# Altium PCB ROBOT1.PcbDoc (part 5 of 7)
Units mm, origin at the board's own origin, x right, y up, seen from the top; angles counter-clockwise.
Board outline 99.4 x 99.07 mm, 2 copper layers (Top Layer, Bottom Layer); 31 components, 29 nets, 151 pads, 0 vias.
Unrouted connection lines stored in the file: 3.
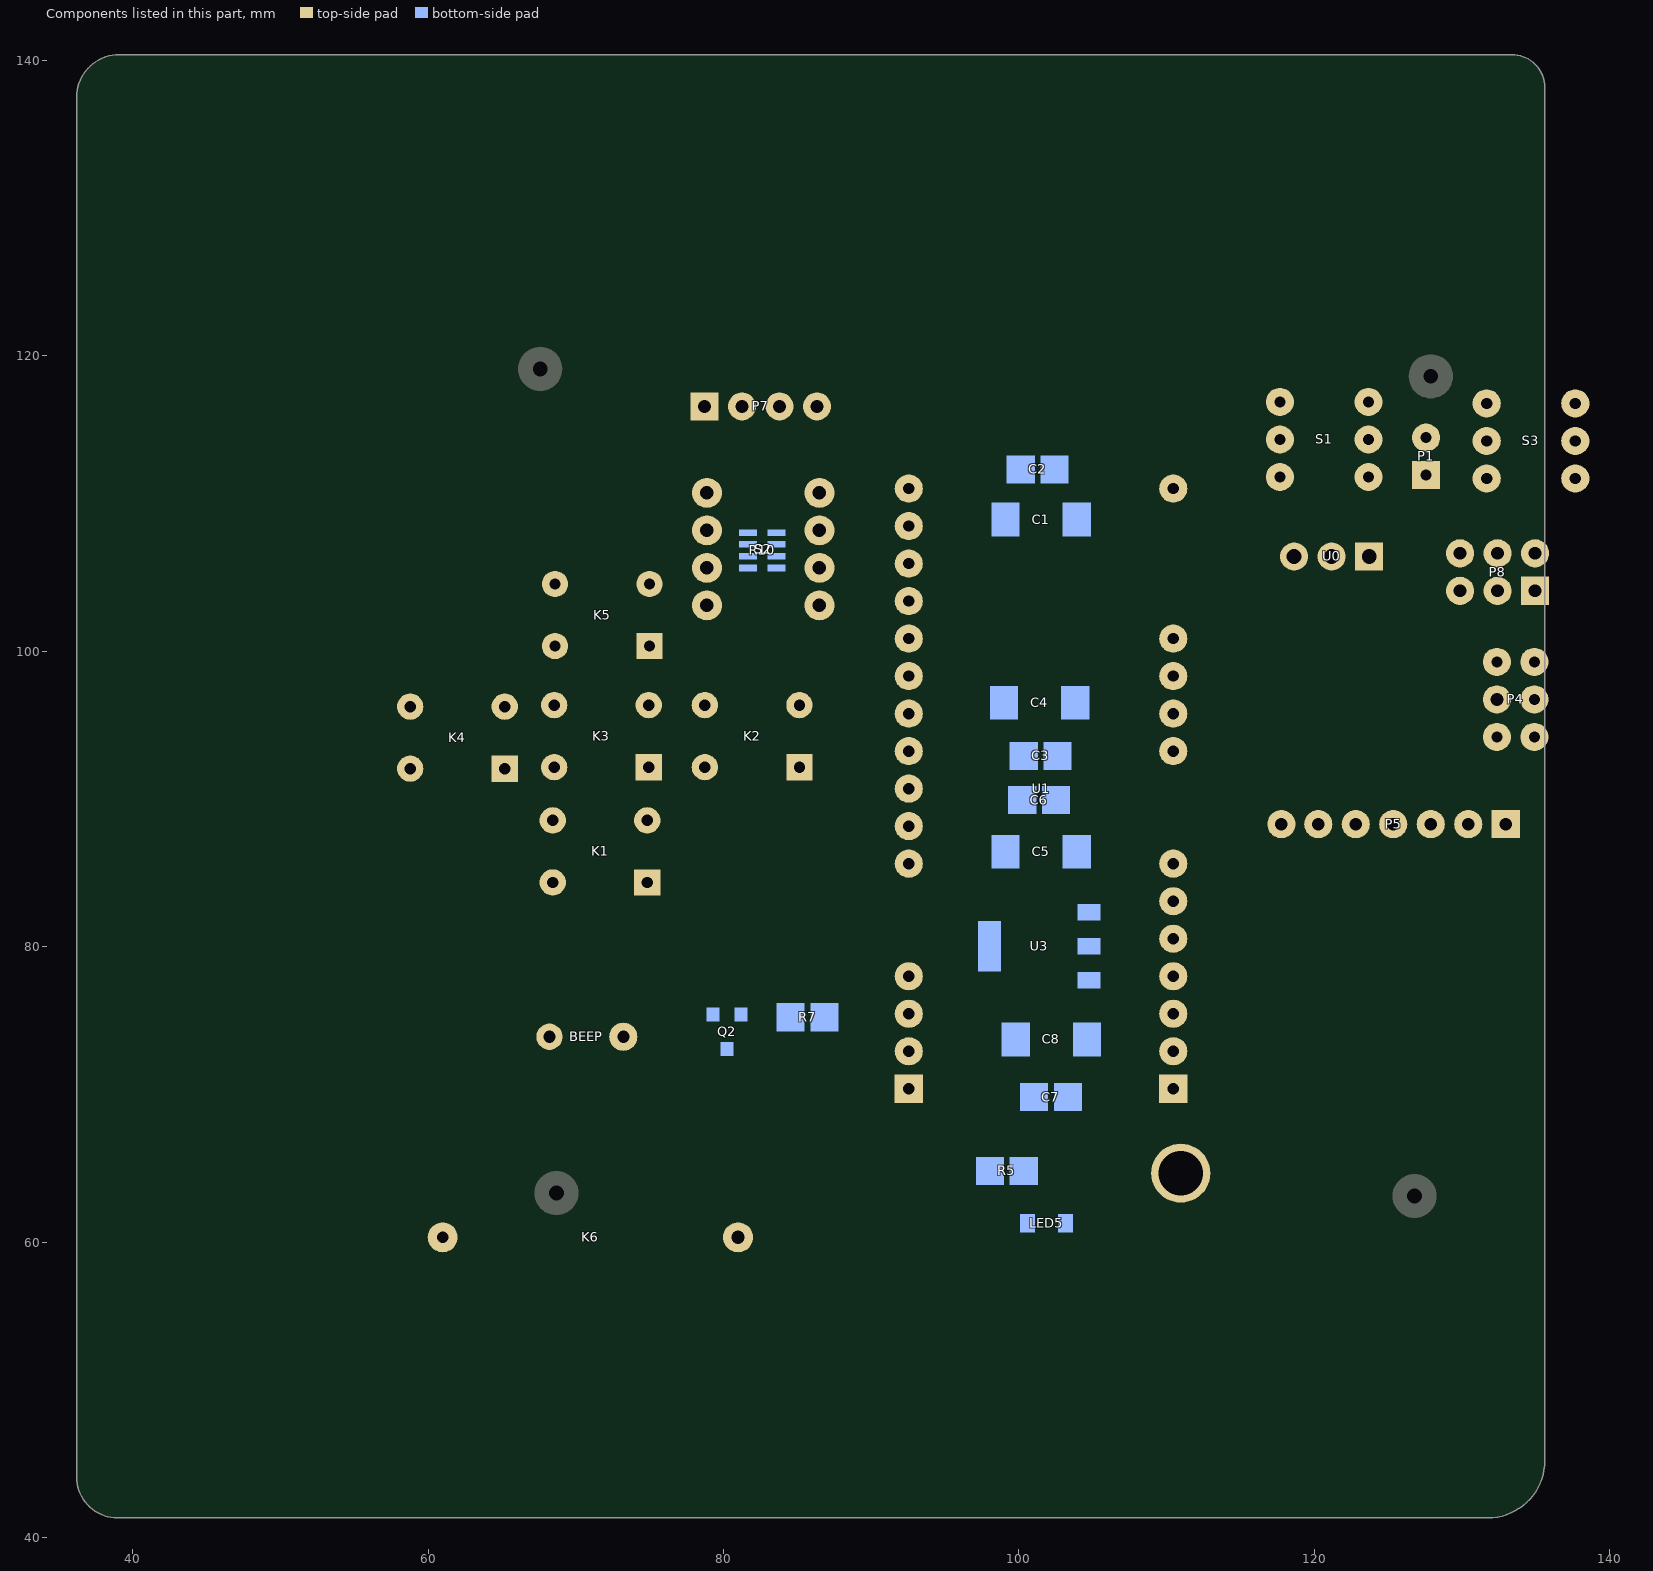
[diagram p5: the components of this part, seen from the top]

## Nets (pads, with @x,y where several pads share a name; then routed paths per layer and width w, separated by ;. In a path a pad name is that pad's centre, name@x,y a point inside that pad or via, vN(x,y) a via of type N, cw(c..) or ccw(c..) an arc to the next point about the centre after c; other vN are vias at no path point) (continued)
copper on no net: (continued)
  Bottom Layer w0.01: 61.115,113.658 61.155,113.658 ; 61.115,113.668 61.155,113.668 ; 61.115,114.067 61.165,114.067 ; 61.115,119.538 61.205,119.538 ; 61.115,119.548 61.205,119.548 ; 61.115,120.186 61.205,120.186 ; 61.125,111.302 61.205,111.302 ; 61.125,111.312 61.215,111.312 ; 61.125,111.941 61.215,111.941 ; 61.125,113.648 61.145,113.648 ; 61.125,113.678 61.165,113.678 ; 61.125,114.057 61.165,114.057 ; 61.125,114.077 61.175,114.077 ; 61.125,114.087 61.185,114.087 ; 61.125,119.528 61.215,119.528 ; 61.125,120.166 61.215,120.166 ; 61.125,120.176 61.205,120.176 ; 61.135,111.322 61.225,111.322 ; 61.135,111.332 61.235,111.332 ; 61.135,111.951 61.215,111.951 ; 61.135,111.961 61.225,111.961 ; 61.135,113.548 61.155,113.548 ; 61.135,113.688 61.175,113.688 ; 61.135,113.698 61.185,113.698 ; 61.135,114.047 61.155,114.047 ; 61.135,114.097 61.195,114.097 ; 61.135,119.508 61.225,119.508 ; 61.135,119.518 61.225,119.518 ; 61.135,120.147 61.225,120.147 ; 61.135,120.156 61.215,120.156 ; 61.145,111.342 61.235,111.342 ; 61.145,111.971 61.235,111.971 ; 61.145,111.981 61.235,111.981 ; 61.145,113.708 61.195,113.708 ; 61.145,113.718 61.195,113.718 ; 61.145,113.728 61.195,113.728 ; 61.145,114.107 61.195,114.107 ; 61.145,119.498 61.235,119.498 ; 61.145,120.137 61.235,120.137 ; 61.155,111.352 61.245,111.352 ; 61.155,111.991 61.245,111.991 ; 61.155,113.738 61.205,113.738 ; 61.155,113.748 61.205,113.748 ; 61.155,114.117 61.195,114.117 ; 61.155,114.127 61.205,114.127 ; 61.155,119.478 61.245,119.478 ; 61.155,119.488 61.245,119.488 ; 61.155,120.117 61.245,120.117 ; 61.155,120.127 61.235,120.127 ; 61.165,111.362 61.245,111.362 ; 61.165,111.372 61.255,111.372 ; 61.165,112.001 61.245,112.001 ; 61.165,112.011 61.255,112.011 ; 61.165,113.758 61.215,113.758 ; 61.165,113.768 61.215,113.768 ; 61.165,114.137 61.215,114.137 ; 61.165,114.267 61.395,114.267 ; 61.165,114.277 61.395,114.277 ; 61.165,114.287 61.385,114.287 ; 61.165,116.743 61.594,116.743 ; 61.165,119.458 61.255,119.458 ; 61.165,119.468 61.255,119.468 ; 61.165,120.097 61.255,120.097 ; 61.165,120.107 61.245,120.107 ; 61.175,111.382 61.255,111.382 ; 61.175,111.392 61.265,111.392 ; 61.175,112.021 61.255,112.021 ; 61.175,112.031 61.265,112.031 ; 61.175,113.778 61.215,113.778 ; 61.175,113.788 61.225,113.788 ; 61.175,113.798 61.225,113.798 ; 61.175,114.147 61.215,114.147 ; 61.175,114.157 61.225,114.157 ; 61.175,114.257 61.405,114.257 ; 61.175,115.874 61.624,115.874 ; 61.175,117.601 61.654,117.601 ; 61.175,119.438 61.275,119.438 ; 61.175,119.448 61.265,119.448 ; 61.175,120.087 61.255,120.087 ; 61.185,111.402 61.265,111.402 ; 61.185,112.041 61.275,112.041 ; 61.185,113.808 61.225,113.808 ; 61.185,113.818 61.235,113.818 ; 61.185,113.828 61.235,113.828 ; 61.185,113.838 61.245,113.838 ; 61.185,114.167 61.215,114.167 ; 61.185,114.177 61.215,114.177 ; 61.185,115.525 61.734,115.525 ; 61.185,119.428 61.275,119.428 ; 61.185,120.067 61.275,120.067 ; 61.185,120.077 61.265,120.077 ; 61.195,111.412 61.275,111.412 ; 61.195,111.422 61.285,111.422 ; 61.195,112.051 61.275,112.051 ; 61.195,112.061 61.285,112.061 ; 61.195,113.848 61.245,113.848 ; 61.195,113.858 61.245,113.858 ; 61.195,113.868 61.255,113.868 ; 61.195,119.418 61.285,119.418 ; 61.195,120.047 61.285,120.047 ; 61.195,120.057 61.285,120.057 ; 61.205,111.432 61.285,111.432 ; 61.205,111.442 61.295,111.442 ; 61.205,112.071 61.295,112.071 ; 61.205,113.878 61.255,113.878 ; 61.205,113.888 61.255,113.888 ; 61.205,113.898 61.255,113.898 ; 61.205,119.398 61.295,119.398 ; 61.205,119.408 61.295,119.408 ; 61.205,120.037 61.295,120.037 ; 61.215,111.452 61.295,111.452 ; 61.215,112.081 61.295,112.081 ; 61.215,112.091 61.305,112.091 ; 61.215,113.908 61.255,113.908 ; 61.215,113.918 61.255,113.918 ; 61.215,113.928 61.255,113.928 ; 61.215,113.938 61.265,113.938 ; 61.215,113.948 61.275,113.948 ; 61.215,113.958 61.275,113.958 ; 61.215,113.968 61.275,113.968 ; 61.215,113.978 61.265,113.978 ; 61.215,113.987 61.265,113.987 ; 61.215,113.997 61.275,113.997 ; 61.215,119.378 61.305,119.378 ; 61.215,119.388 61.305,119.388 ; 61.215,120.017 61.305,120.017 ; 61.215,120.027 61.295,120.027 ; 61.225,111.462 61.305,111.462 ; 61.225,111.472 61.315,111.472 ; 61.225,112.101 61.305,112.101 ; 61.225,112.111 61.315,112.111 ; 61.225,114.007 61.275,114.007 ; 61.225,114.017 61.275,114.017 ; 61.225,114.027 61.275,114.027 ; 61.225,116.753 61.604,116.753 ; 61.225,119.368 61.315,119.368 ; 61.225,120.007 61.315,120.007 ; 61.235,111.482 61.315,111.482 ; 61.235,111.492 61.325,111.492 ; 61.235,112.121 61.325,112.121 ; 61.235,114.037 61.285,114.037 ; 61.235,114.047 61.285,114.047 ; 61.235,114.057 61.285,114.057 ; 61.235,114.067 61.285,114.067 ; 61.235,114.077 61.285,114.077 ; 61.235,114.087 61.285,114.087 ; 61.235,114.097 61.285,114.097 ; 61.235,114.107 61.285,114.107 ; 61.235,114.117 61.285,114.117 ; 61.235,115.884 61.644,115.884 ; 61.235,117.611 61.734,117.611 ; 61.235,119.348 61.325,119.348 ; 61.235,119.358 61.315,119.358 ; 61.235,119.987 61.325,119.987 ; 61.235,119.997 61.325,119.997 ; 61.245,111.502 61.335,111.502 ; 61.245,112.131 61.325,112.131 ; 61.245,112.141 61.335,112.141 ; 61.245,114.127 61.285,114.127 ; 61.245,114.137 61.285,114.137 ; 61.245,114.147 61.285,114.147 ; 61.245,114.157 61.295,114.157 ; 61.245,114.167 61.295,114.167 ; 61.245,114.177 61.285,114.177 ; 61.245,114.187 61.285,114.187 ; 61.245,114.197 61.285,114.197 ; 61.245,114.207 61.285,114.207 ; 61.245,114.217 61.285,114.217 ; 61.245,114.227 61.285,114.227 ; 61.245,114.237 61.285,114.237 ; 61.245,114.247 61.295,114.247 ; 61.245,114.297 61.305,114.297 ; 61.245,119.338 61.335,119.338 ; 61.245,119.967 61.335,119.967 ; 61.245,119.977 61.335,119.977 ; 61.255,111.512 61.335,111.512 ; 61.255,111.522 61.345,111.522 ; 61.255,112.151 61.335,112.151 ; 61.255,112.161 61.345,112.161 ; 61.255,114.307 61.295,114.307 ; 61.255,114.317 61.295,114.317 ; 61.255,114.327 61.295,114.327 ; 61.255,114.337 61.295,114.337 ; 61.255,116.763 61.614,116.763 ; 61.255,117.401 61.385,117.401 ; 61.255,119.318 61.345,119.318 ; 61.255,119.328 61.335,119.328 ; 61.255,119.947 61.345,119.947 ; 61.255,119.957 61.345,119.957 ; 61.265,111.532 61.355,111.532 ; 61.265,111.542 61.355,111.542 ; 61.265,112.171 61.355,112.171 ; 61.265,114.347 61.295,114.347 ; 61.265,119.298 61.355,119.298 ; 61.265,119.308 61.355,119.308 ; 61.265,119.937 61.355,119.937 ; 61.275,111.552 61.365,111.552 ; 61.275,112.181 61.355,112.181 ; 61.275,112.191 61.365,112.191 ; 61.275,113.648 61.315,113.648 ; 61.275,113.658 61.325,113.658 ; 61.275,113.668 61.315,113.668 ; 61.275,113.678 61.325,113.678 ; 61.275,119.288 61.365,119.288 ; 61.275,119.917 61.365,119.917 ; 61.275,119.927 61.365,119.927 ; 61.285,111.562 61.365,111.562 ; 61.285,111.572 61.375,111.572 ; 61.285,112.201 61.375,112.201 ; 61.285,113.548 61.305,113.548 ; 61.285,113.688 61.325,113.688 ; 61.285,116.773 61.624,116.773 ; 61.285,119.268 61.375,119.268 ; 61.285,119.278 61.365,119.278 ; 61.285,119.907 61.375,119.907 ; 61.295,111.582 61.375,111.582 ; 61.295,112.211 61.375,112.211 ; 61.295,112.221 61.385,112.221 ; 61.295,113.698 61.335,113.698 ; 61.295,113.708 61.345,113.708 ; 61.295,113.718 61.345,113.718 ; 61.295,119.248 61.385,119.248 ; 61.295,119.258 61.375,119.258 ; 61.295,119.887 61.385,119.887 ; 61.295,119.897 61.375,119.897 ; 61.305,111.592 61.385,111.592 ; 61.305,111.602 61.395,111.602 ; 61.305,112.231 61.385,112.231 ; 61.305,113.728 61.355,113.728 ; 61.305,113.738 61.355,113.738 ; 61.305,113.748 61.355,113.748 ; 61.305,119.238 61.395,119.238 ; 61.305,119.877 61.395,119.877 ; 61.315,111.612 61.395,111.612 ; 61.315,112.241 61.395,112.241 ; 61.315,112.251 61.395,112.251 ; 61.315,113.758 61.365,113.758 ; 61.315,113.768 61.365,113.768 ; 61.315,113.778 61.375,113.778 ; 61.315,115.894 61.744,115.894 ; 61.315,119.218 61.405,119.218 ; 61.315,119.228 61.405,119.228 ; 61.315,119.857 61.405,119.857 ; 61.315,119.867 61.395,119.867 ; 61.325,111.622 61.405,111.622 ; 61.325,111.632 61.415,111.632 ; 61.325,112.261 61.405,112.261 ; 61.325,112.271 61.415,112.271 ; 61.325,113.788 61.375,113.788 ; 61.325,113.798 61.375,113.798 ; 61.325,113.808 61.375,113.808 ; 61.325,113.818 61.375,113.818 ; 61.325,119.208 61.415,119.208 ; 61.325,119.837 61.415,119.837 ; 61.325,119.847 61.405,119.847 ; 61.335,111.642 61.415,111.642 ; 61.335,111.652 61.425,111.652 ; 61.335,112.281 61.415,112.281 ; 61.335,112.291 61.425,112.291 ; 61.335,113.828 61.375,113.828 ; 61.335,113.838 61.375,113.838 ; 61.335,113.848 61.375,113.848 ; 61.335,113.858 61.385,113.858 ; 61.335,113.868 61.385,113.868 ; 61.335,113.878 61.385,113.878 ; 61.335,113.888 61.385,113.888 ; 61.335,113.898 61.385,113.898 ; 61.335,113.908 61.385,113.908 ; 61.335,113.918 61.385,113.918 ; 61.335,113.928 61.395,113.928 ; 61.335,113.938 61.395,113.938 ; 61.335,113.948 61.395,113.948 ; 61.335,113.958 61.395,113.958 ; 61.335,113.968 61.395,113.968 ; 61.335,113.978 61.395,113.978 ; 61.335,113.987 61.395,113.987 ; 61.335,114.187 61.395,114.187 ; 61.335,114.197 61.395,114.197 ; 61.335,114.207 61.395,114.207 ; 61.335,114.247 61.405,114.247 ; 61.335,117.621 61.734,117.621 ; 61.335,119.188 61.425,119.188 ; 61.335,119.198 61.415,119.198 ; 61.335,119.817 61.425,119.817 ; 61.335,119.827 61.425,119.827 ; 61.345,111.662 61.435,111.662 ; 61.345,111.672 61.435,111.672 ; 61.345,112.3 61.435,112.3 ; 61.345,113.997 61.395,113.997 ; 61.345,114.007 61.395,114.007 ; 61.345,114.017 61.405,114.017 ; 61.345,114.027 61.405,114.027 ; 61.345,114.037 61.405,114.037 ; 61.345,114.047 61.405,114.047 ; 61.345,114.057 61.405,114.057 ; 61.345,114.067 61.395,114.067 ; 61.345,114.077 61.405,114.077 ; 61.345,114.087 61.405,114.087 ; 61.345,114.097 61.405,114.097 ; 61.345,114.107 61.485,114.107 ; 61.345,114.117 61.475,114.117 ; 61.345,114.127 61.465,114.127 ; 61.345,114.137 61.455,114.137 ; 61.345,114.147 61.445,114.147 ; 61.345,114.167 61.435,114.167 ; 61.345,114.177 61.405,114.177 ; 61.345,114.217 61.395,114.217 ; 61.345,114.227 61.395,114.227 ; 61.345,114.237 61.395,114.237 ; 61.345,114.297 61.375,114.297 ; 61.345,115.904 61.814,115.904 ; 61.345,116.783 61.634,116.783 ; 61.345,117.342 61.465,117.342 ; 61.345,119.178 61.435,119.178 ; 61.345,119.807 61.435,119.807 ; 61.355,111.682 61.445,111.682 ; 61.355,112.31 61.445,112.31 ; 61.355,112.32 61.445,112.32 ; 61.355,114.157 61.435,114.157 ; 61.355,117.631 61.734,117.631 ; 61.355,119.158 61.445,119.158 ; 61.355,119.168 61.435,119.168 ; 61.355,119.787 61.445,119.787 ; 61.355,119.797 61.445,119.797 ; 61.365,111.692 61.445,111.692 ; 61.365,111.702 61.455,111.702 ; 61.365,112.33 61.455,112.33 ; 61.365,117.332 61.475,117.332 ; 61.365,119.138 61.455,119.138 ; 61.365,119.148 61.455,119.148 ; 61.365,119.767 61.455,119.767 ; 61.365,119.777 61.455,119.777 ; 61.375,111.712 61.465,111.712 ; 61.375,112.34 61.455,112.34 ; 61.375,112.35 61.465,112.35 ; 61.375,119.118 61.465,119.118 ; 61.375,119.128 61.465,119.128 ; 61.375,119.757 61.465,119.757 ; 61.385,111.722 61.465,111.722 ; 61.385,111.732 61.475,111.732 ; 61.385,112.36 61.475,112.36 ; 61.385,112.37 61.475,112.37 ; 61.385,112.38 61.485,112.38 ; 61.385,117.322 61.485,117.322 ; 61.385,119.108 61.475,119.108 ; 61.385,119.747 61.475,119.747 ; 61.395,111.741 61.475,111.741 ; 61.395,111.751 61.485,111.751 ; 61.395,117.312 61.505,117.312 ; 61.395,118.619 61.774,118.619 ; 61.395,119.088 61.485,119.088 ; 61.395,119.098 61.485,119.098 ; 61.395,119.727 61.485,119.727 ; 61.395,119.737 61.475,119.737 ; 61.405,111.761 61.495,111.761 ; 61.405,119.078 61.495,119.078 ; 61.405,119.707 61.495,119.707 ; 61.405,119.717 61.485,119.717 ; 61.415,111.771 61.495,111.771 ; 61.415,111.781 61.505,111.781 ; 61.415,116.792 61.644,116.792 ; 61.415,117.302 61.515,117.302 ; 61.415,119.058 61.505,119.058 ; 61.415,119.068 61.505,119.068 ; 61.415,119.687 61.505,119.687 ; 61.415,119.697 61.505,119.697 ; 61.425,111.791 61.515,111.791 ; 61.425,112.45 61.524,112.45 ; 61.425,114.097 61.485,114.097 ; 61.425,117.292 61.524,117.292 ; 61.425,119.048 61.515,119.048 ; 61.425,119.677 61.515,119.677 ; 61.435,111.801 61.515,111.801 ; 61.435,111.811 61.524,111.811 ; 61.435,114.087 61.495,114.087 ; 61.435,119.019 61.534,119.019 ; 61.435,119.029 61.524,119.029 ; 61.435,119.038 61.524,119.038 ; 61.435,119.657 61.524,119.657 ; 61.435,119.667 61.524,119.667 ; 61.445,111.821 61.524,111.821 ; 61.445,111.831 61.534,111.831 ; 61.445,112.46 61.534,112.46 ; 61.445,114.077 61.495,114.077 ; 61.445,115.914 61.904,115.914 ; 61.445,116.802 61.654,116.802 ; 61.445,117.282 61.544,117.282 ; 61.445,119.647 61.534,119.647 ; 61.455,111.841 61.544,111.841 ; 61.455,111.851 61.544,111.851 ; 61.455,112.47 61.534,112.47 ; 61.455,112.48 61.544,112.48 ; 61.455,114.067 61.485,114.067 ; 61.455,117.272 61.554,117.272 ; 61.455,119.627 61.544,119.627 ; 61.455,119.637 61.534,119.637 ; 61.465,111.861 61.554,111.861 ; 61.465,112.49 61.544,112.49 ; 61.465,112.5 61.554,112.5 ; 61.465,117.262 61.574,117.262 ; 61.465,119.617 61.554,119.617 ; 61.475,111.871 61.554,111.871 ; 61.475,111.881 61.564,111.881 ; 61.475,112.51 61.564,112.51 ; 61.475,119.597 61.564,119.597 ; 61.475,119.607 61.554,119.607 ; 61.485,111.891 61.564,111.891 ; 61.485,112.52 61.564,112.52 ; 61.485,112.53 61.574,112.53 ; 61.485,117.252 61.584,117.252 ; 61.485,117.641 61.744,117.641 ; 61.485,119.578 61.574,119.578 ; 61.485,119.588 61.574,119.588 ; 61.495,111.901 61.574,111.901 ; 61.495,111.911 61.584,111.911 ; 61.495,112.54 61.574,112.54 ; 61.495,112.55 61.584,112.55 ; 61.495,117.242 61.594,117.242 ; 61.495,118.929 61.584,118.929 ; 61.495,119.558 61.584,119.558 ; 61.495,119.568 61.584,119.568 ; 61.505,111.921 61.594,111.921 ; 61.505,112.56 61.594,112.56 ; 61.505,118.909 61.594,118.909 ; 61.505,118.919 61.594,118.919 ; 61.505,119.548 61.594,119.548 ; 61.515,111.931 61.594,111.931 ; 61.515,111.941 61.604,111.941 ; 61.515,112.57 61.594,112.57 ; 61.515,112.58 61.604,112.58 ; 61.515,116.812 61.664,116.812 ; 61.515,117.232 61.684,117.232 ; 61.515,118.889 61.604,118.889 ; 61.515,118.899 61.604,118.899 ; 61.515,119.528 61.604,119.528 ; 61.515,119.538 61.604,119.538 ; 61.524,111.951 61.614,111.951 ; 61.524,111.961 61.614,111.961 ; 61.524,112.59 61.614,112.59 ; 61.524,115.535 61.584,115.535 ; 61.524,117.222 61.684,117.222 ; 61.524,118.879 61.614,118.879 ; 61.524,119.518 61.614,119.518 ; 61.534,111.971 61.614,111.971 ; 61.534,111.981 61.624,111.981 ; 61.534,112.6 61.614,112.6 ; 61.534,112.61 61.624,112.61 ; 61.534,117.212 61.684,117.212 ; 61.534,118.859 61.624,118.859 ; 61.534,118.869 61.624,118.869 ; 61.534,119.498 61.624,119.498 ; 61.534,119.508 61.614,119.508 ; 61.544,111.991 61.634,111.991 ; 61.544,112.62 61.624,112.62 ; 61.544,115.924 61.924,115.924 ; 61.544,116.822 61.674,116.822 ; 61.544,117.202 61.674,117.202 ; 61.544,118.849 61.634,118.849 ; 61.544,119.488 61.634,119.488 ; 61.554,112.001 61.644,112.001 ; 61.554,112.011 61.644,112.011 ; 61.554,112.63 61.634,112.63 ; 61.554,112.64 61.644,112.64 ; 61.554,117.651 61.744,117.651 ; 61.554,118.829 61.644,118.829 ; 61.554,118.839 61.644,118.839 ; 61.554,119.468 61.644,119.468 ; 61.554,119.478 61.634,119.478 ; 61.564,112.021 61.654,112.021 ; 61.564,112.65 61.644,112.65 ; 61.564,112.66 61.654,112.66 ; 61.564,117.192 61.674,117.192 ; 61.564,118.819 61.654,118.819 ; 61.564,119.448 61.654,119.448 ; 61.564,119.458 61.644,119.458 ; 61.574,112.031 61.654,112.031 ; 61.574,112.041 61.664,112.041 ; 61.574,112.67 61.654,112.67 ; 61.574,112.68 61.664,112.68 ; 61.574,118.799 61.664,118.799 ; 61.574,118.809 61.654,118.809 ; 61.574,119.428 61.664,119.428 ; 61.574,119.438 61.664,119.438 ; 61.584,112.051 61.674,112.051 ; 61.584,112.69 61.674,112.69 ; 61.584,115.934 62.034,115.934 ; 61.584,116.832 61.684,116.832 ; 61.584,117.182 61.674,117.182 ; 61.584,118.789 61.674,118.789 ; 61.584,119.418 61.674,119.418 ; 61.594,112.061 61.674,112.061 ; 61.594,112.071 61.684,112.071 ; 61.594,112.7 61.674,112.7 ; 61.594,112.71 61.684,112.71 ; 61.594,117.172 61.674,117.172 ; 61.594,118.769 61.684,118.769 ; 61.594,118.779 61.674,118.779 ; 61.594,119.398 61.684,119.398 ; 61.594,119.408 61.674,119.408 ; 61.604,112.081 61.684,112.081 ; 61.604,112.091 61.694,112.091 ; 61.604,112.72 61.684,112.72 ; 61.604,112.73 61.694,112.73 ; 61.604,117.162 61.674,117.162 ; 61.604,118.749 61.694,118.749 ; 61.604,118.759 61.694,118.759 ; 61.604,119.378 61.704,119.378 ; 61.604,119.388 61.694,119.388 ; 61.614,112.101 61.694,112.101 ; 61.614,112.111 61.704,112.111 ; 61.614,112.74 61.704,112.74 ; 61.614,117.152 61.674,117.152 ; 61.614,117.242 61.684,117.242 ; 61.614,117.661 61.734,117.661 ; 61.614,118.729 61.704,118.729 ; 61.614,118.739 61.704,118.739 ; 61.614,119.368 61.704,119.368 ; 61.624,112.121 61.714,112.121 ; 61.624,112.75 61.704,112.75 ; 61.624,112.76 61.714,112.76 ; 61.624,116.842 61.694,116.842 ; 61.624,117.142 61.674,117.142 ; 61.624,117.252 61.684,117.252 ; 61.624,117.262 61.684,117.262 ; 61.624,117.272 61.694,117.272 ; 61.624,117.282 61.694,117.282 ; 61.624,117.292 61.694,117.292 ; 61.624,117.302 61.694,117.302 ; 61.624,118.719 61.714,118.719 ; 61.624,119.348 61.714,119.348 ; 61.624,119.358 61.714,119.358 ; 61.634,112.131 61.714,112.131 ; 61.634,112.141 61.724,112.141 ; 61.634,115.944 62.044,115.944 ; 61.634,117.312 61.694,117.312 ; 61.634,117.322 61.694,117.322 ; 61.634,117.332 61.694,117.332 ; 61.634,117.342 61.694,117.342 ; 61.634,117.351 61.694,117.351 ; 61.634,117.361 61.704,117.361 ; 61.634,118.699 61.724,118.699 ; 61.634,118.709 61.724,118.709 ; 61.634,119.338 61.724,119.338 ; 61.644,112.151 61.734,112.151 ; 61.644,115.475 61.684,115.475 ; 61.644,117.132 61.664,117.132 ; 61.644,117.371 61.704,117.371 ; 61.644,117.381 61.704,117.381 ; 61.644,117.391 61.704,117.391 ; 61.644,117.401 61.704,117.401 ; 61.644,117.411 61.704,117.411 ; 61.644,117.421 61.704,117.421 ; 61.644,117.431 61.714,117.431 ; 61.644,118.689 61.734,118.689 ; 61.644,119.318 61.734,119.318 ; 61.644,119.328 61.734,119.328 ; 61.654,112.161 61.734,112.161 ; 61.654,112.171 61.744,112.171 ; 61.654,115.535 61.734,115.535 ; 61.654,117.441 61.714,117.441 ; 61.654,117.451 61.714,117.451 ; 61.654,117.461 61.714,117.461 ; 61.654,117.471 61.714,117.471 ; 61.654,117.481 61.714,117.481 ; 61.654,117.491 61.714,117.491 ; 61.654,117.501 61.714,117.501 ; 61.654,117.511 61.724,117.511 ; 61.654,117.521 61.724,117.521 ; 61.654,117.531 61.724,117.531 ; 61.654,117.541 61.724,117.541 ; 61.654,117.551 61.724,117.551 ; 61.654,118.669 61.744,118.669 ; 61.654,118.679 61.744,118.679 ; 61.654,119.298 61.744,119.298 ; 61.654,119.308 61.744,119.308 ; 61.664,112.181 61.744,112.181 ; 61.664,117.561 61.724,117.561 ; 61.664,117.571 61.724,117.571 ; 61.664,117.601 61.734,117.601 ; 61.664,118.659 61.754,118.659 ; 61.664,119.288 61.754,119.288 ; 61.674,112.191 61.754,112.191 ; 61.674,112.201 61.764,112.201 ; 61.674,115.545 61.744,115.545 ; 61.674,115.555 61.754,115.555 ; 61.674,116.852 61.684,116.852 ; 61.674,117.581 61.724,117.581 ; 61.674,117.591 61.724,117.591 ; 61.674,118.629 61.764,118.629 ; 61.674,118.639 61.764,118.639 ; 61.674,118.649 61.754,118.649 ; 61.674,119.268 61.764,119.268 ; 61.674,119.278 61.754,119.278 ; 61.684,112.211 61.764,112.211 ; 61.684,112.221 61.774,112.221 ; 61.684,112.85 61.764,112.85 ; 61.684,112.86 61.774,112.86 ; 61.684,115.565 61.764,115.565 ; 61.684,119.248 61.774,119.248 ; 61.684,119.258 61.774,119.258 ; 61.694,112.231 61.784,112.231 ; 61.694,112.241 61.784,112.241 ; 61.694,112.869 61.784,112.869 ; 61.694,115.575 61.764,115.575 ; 61.694,117.671 61.724,117.671 ; 61.694,119.238 61.784,119.238 ; 61.704,112.251 61.794,112.251 ; 61.704,112.879 61.784,112.879 ; 61.704,115.585 61.774,115.585 ; 61.704,115.595 61.784,115.595 ; 61.704,119.218 61.794,119.218 ; 61.704,119.228 61.794,119.228 ; 61.714,112.261 61.794,112.261 ; 61.714,112.271 61.804,112.271 ; 61.714,112.889 61.794,112.889 ; 61.714,112.899 61.804,112.899 ; 61.714,115.605 61.794,115.605 ; 61.714,119.198 61.804,119.198 ; 61.714,119.208 61.804,119.208 ; 61.724,112.281 61.804,112.281 ; 61.724,112.909 61.804,112.909 ; 61.724,112.919 61.814,112.919 ; 61.724,115.615 61.794,115.615 ; 61.724,115.625 61.804,115.625 ; 61.724,118.549 61.814,118.549 ; 61.724,119.188 61.814,119.188 ; 61.734,112.291 61.814,112.291 ; 61.734,112.3 